# Altium PCB devkit-visao.PcbDoc (part 1 of 2) (continued)
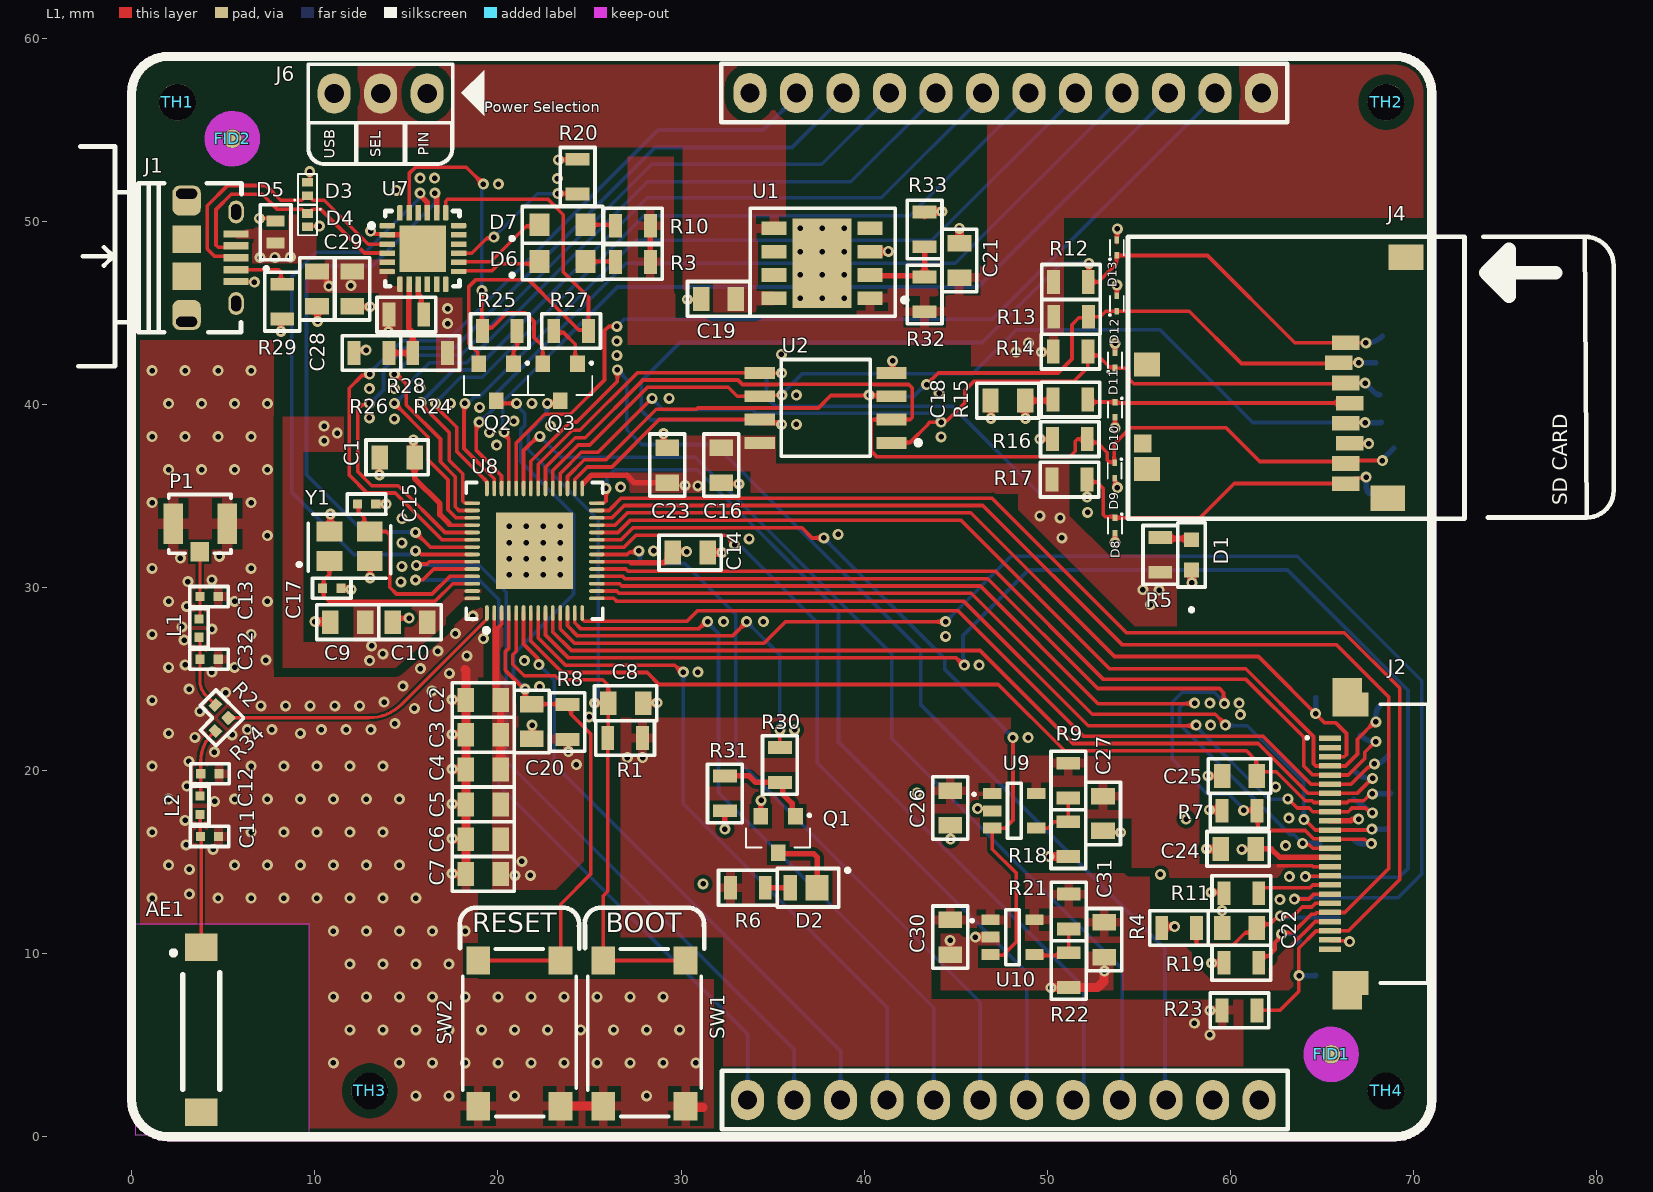
[diagram p0: L1 view]
## Part data (continued)
J1: "CONN - Micro USB Type B RCP 5 POS 0.65mm Solder RA SMD 5 Terminal 1 Port T/R", Manufacturer 1="Amphenol ICC", Supplier Part Number 1=609-4618-1-ND, .PCBChecked="Jose Gomes", .SCHChecked="Victor H", Category="USB Connectors", ComponentLink1Description=http://components.arrow.com/part/dataview/0323_04107371?src-supplier=Arrow+Europe, ComponentLink1URL=http://components.arrow.com/part/dataview/0323_04107371?src-supplier=Arrow+Europe, ComponentLink2Description=http://uk.rs-online.com/webdocs/1450/0900766b814507ee.pdf?src-supplier=RSComponents, ComponentLink2URL=http://uk.rs-online.com/webdocs/1450/0900766b814507ee.pdf?src-supplier=RSComponents, ComponentLink3Description=https://cdn.amphenol-icc.com/media/wysiwyg/files/documentation/datasheet/inputoutput/io_usb_micro.pdf?src-supplier=Avnet, ComponentLink3URL=https://cdn.amphenol-icc.com/media/wysiwyg/files/documentation/datasheet/inputoutput/io_usb_micro.pdf?src-supplier=Avnet, ComponentLink4Description=https://cdn.amphenol-icc.com/media/wysiwyg/files/documentation/datasheet/inputoutput/io_usb_micro.pdf?src-supplier=Arrow+Electronics, ComponentLink4URL=https://cdn.amphenol-icc.com/media/wysiwyg/files/documentation/datasheet/inputoutput/io_usb_micro.pdf?src-supplier=Arrow+Electronics, ComponentLink5Description=https://cdn.amphenol-icc.com/media/wysiwyg/files/documentation/datasheet/inputoutput/io_usb_micro.pdf?src-supplier=Verical, ComponentLink5URL=https://cdn.amphenol-icc.com/media/wysiwyg/files/documentation/datasheet/inputoutput/io_usb_micro.pdf?src-supplier=Verical, ComponentLink6Description=http://portal.fciconnect.com/Comergent//fci/drawing/10118192.pdf?src-supplier=Avnet+Asia, ComponentLink6URL=http://portal.fciconnect.com/Comergent//fci/drawing/10118192.pdf?src-supplier=Avnet+Asia, ComponentLink7Description=https://cdn.amphenol-icc.com/media/wysiwyg/files/documentation/datasheet/inputoutput/io_usb_micro.pdf?src-supplier=Allied+Electronics, ComponentLink7URL=https://cdn.amphenol-icc.com/media/wysiwyg/files/documentation/datasheet/inputoutput/io_usb_micro.pdf?src-supplier=Allied+Electronics, ComponentLink8Description=http://www.farnell.com/datasheets/2366786.pdf?src-supplier=Newark, ComponentLink8URL=http://www.farnell.com/datasheets/2366786.pdf?src-supplier=Newark, ComponentLink9Description=https://cdn.amphenol-icc.com/media/wysiwyg/files/documentation/datasheet/inputoutput/io_usb_micro.pdf?src-supplier=Mouser, ComponentLink9URL=https://cdn.amphenol-icc.com/media/wysiwyg/files/documentation/datasheet/inputoutput/io_usb_micro.pdf?src-supplier=Mouser, ComponentLink10Description=http://www.amphenol-icc.com/media/wysiwyg/files/drawing/10118192.pdf?src-supplier=Digi-Key, ComponentLink10URL=http://www.amphenol-icc.com/media/wysiwyg/files/drawing/10118192.pdf?src-supplier=Digi-Key, ComponentLink11Description=http://www.farnell.com/cad/1935767.pdf?src-supplier=Element14, ComponentLink11URL=http://www.farnell.com/cad/1935767.pdf?src-supplier=Element14, ComponentLink12Description=http://www.farnell.com/datasheets/2366786.pdf?src-supplier=Farnell, ComponentLink12URL=http://www.farnell.com/datasheets/2366786.pdf?src-supplier=Farnell, ComponentLink13Description=https://cdn.amphenol-icc.com/media/wysiwyg/files/documentation/datasheet/inputoutput/io_usb_micro.pdf?src-supplier=TME, ComponentLink13URL=https://cdn.amphenol-icc.com/media/wysiwyg/files/documentation/datasheet/inputoutput/io_usb_micro.pdf?src-supplier=TME, ComponentLink14Description=https://cdn.amphenol-icc.com/media/wysiwyg/files/documentation/datasheet/inputoutput/io_usb_micro.pdf?src-supplier=TTI, ComponentLink14URL=https://cdn.amphenol-icc.com/media/wysiwyg/files/documentation/datasheet/inputoutput/io_usb_micro.pdf?src-supplier=TTI, ComponentLink15Description=https://cdn.amphenol-icc.com/media/wysiwyg/files/documentation/datasheet/inputoutput/io_usb_micro.pdf?src-supplier=NAC+Semi, ComponentLink15URL=https://cdn.amphenol-icc.com/media/wysiwyg/files/documentation/datasheet/inputoutput/io_usb_micro.pdf?src-supplier=NAC+Semi, ComponentLink16Description=https://cdn.amphenol-icc.com/media/wysiwyg/files/documentation/datasheet/inputoutput/io_usb_micro.pdf?src-supplier=SOS+electronic, ComponentLink16URL=https://cdn.amphenol-icc.com/media/wysiwyg/files/documentation/datasheet/inputoutput/io_usb_micro.pdf?src-supplier=SOS+electronic, ComponentLink17Description=https://cdn.amphenol-icc.com/media/wysiwyg/files/documentation/datasheet/inputoutput/io_usb_micro.pdf?src-supplier=Freelance+Electronics, ComponentLink17URL=https://cdn.amphenol-icc.com/media/wysiwyg/files/documentation/datasheet/inputoutput/io_usb_micro.pdf?src-supplier=Freelance+Electronics, ComponentLink18Description=https://cdn.amphenol-icc.com/media/wysiwyg/files/documentation/datasheet/inputoutput/io_usb_micro.pdf?src-supplier=Heilind+Electronics, ComponentLink18URL=https://cdn.amphenol-icc.com/media/wysiwyg/files/documentation/datasheet/inputoutput/io_usb_micro.pdf?src-supplier=Heilind+Electronics, ComponentLink19Description=https://datasheet.ciiva.com/3094/1050170001-io-connectors-3094416.pdf?src-supplier=Avnet, ComponentLink19URL=https://datasheet.ciiva.com/3094/1050170001-io-connectors-3094416.pdf?src-supplier=Avnet, ComponentLink20Description=https://datasheet.ciiva.com/30165/235271050170001-io-nectors-30165183.pdf?src-supplier=Onlinecomponents.com, ComponentLink20URL=https://datasheet.ciiva.com/30165/235271050170001-io-nectors-30165183.pdf?src-supplier=Onlinecomponents.com, ComponentLink21Description=https://datasheet.ciiva.com/5742/1598502-5742508.pdf?src-supplier=Farnell, ComponentLink21URL=https://datasheet.ciiva.com/5742/1598502-5742508.pdf?src-supplier=Farnell, ComponentLink22Description=https://datasheet.ciiva.com/8015/1631959-8015288.pdf?src-supplier=Element14, ComponentLink22URL=https://datasheet.ciiva.com/8015/1631959-8015288.pdf?src-supplier=Element14, ComponentLink23Description=https://datasheet.ciiva.com/22654/1688140-22654924.pdf?src-supplier=Element14, ComponentLink23URL=https://datasheet.ciiva.com/22654/1688140-22654924.pdf?src-supplier=Element14, ComponentLink24Description=https://datasheet.ciiva.com/4598/1050170001-io-connectors-152207-4598759.pdf?src-supplier=Mouser, ComponentLink24URL=https://datasheet.ciiva.com/4598/1050170001-io-connectors-152207-4598759.pdf?src-supplier=Mouser, ComponentLink25Description=https://datasheet.ciiva.com/851/1050170001-sd-851276.pdf?src-supplier=Digi-Key, ComponentLink25URL=https://datasheet.ciiva.com/851/1050170001-sd-851276.pdf?src-supplier=Digi-Key, ComponentLink26Description=https://datasheet.ciiva.com/16668/1050170001-io-connectors-16668598.pdf?src-supplier=Avnet+Europe, ComponentLink26URL=https://datasheet.ciiva.com/16668/1050170001-io-connectors-16668598.pdf?src-supplier=Avnet+Europe, ComponentLink27Description=https://datasheet.ciiva.com/851/1050170001-sd-851277.pdf?src-supplier=Digi-Key, ComponentLink27URL=https://datasheet.ciiva.com/851/1050170001-sd-851277.pdf?src-supplier=Digi-Key, ComponentLink28Description=https://datasheet.ciiva.com/851/1050170001-sd-851278.pdf?src-supplier=Digi-Key, ComponentLink28URL=https://datasheet.ciiva.com/851/1050170001-sd-851278.pdf?src-supplier=Digi-Key, ComponentLink29Description=http://components.arrow.com/part/dataview/0323_04107373?src-supplier=Arrow+Europe, ComponentLink29URL=http://components.arrow.com/part/dataview/0323_04107373?src-supplier=Arrow+Europe, ComponentLink30Description=https://cdn.amphenol-icc.com/media/wysiwyg/files/drawing/10118194.pdf?src-supplier=Avnet, ComponentLink30URL=https://cdn.amphenol-icc.com/media/wysiwyg/files/drawing/10118194.pdf?src-supplier=Avnet, ComponentLink31Description=https://cdn.amphenol-icc.com/media/wysiwyg/files/drawing/10118194.pdf?src-supplier=Mouser, ComponentLink31URL=https://cdn.amphenol-icc.com/media/wysiwyg/files/drawing/10118194.pdf?src-supplier=Mouser, ComponentLink32Description=http://www.amphenol-icc.com/media/wysiwyg/files/drawing/10118194.pdf?src-supplier=Digi-Key, ComponentLink32URL=http://www.amphenol-icc.com/media/wysiwyg/files/drawing/10118194.pdf?src-supplier=Digi-Key, ComponentLink33Description=http://www.farnell.com/cad/2354948.pdf?src-supplier=Farnell, ComponentLink33URL=http://www.farnell.com/cad/2354948.pdf?src-supplier=Farnell, ComponentLink34Description=https://cdn.amphenol-icc.com/media/wysiwyg/files/drawing/10118194.pdf?src-supplier=RSComponents, ComponentLink34URL=https://cdn.amphenol-icc.com/media/wysiwyg/files/drawing/10118194.pdf?src-supplier=RSComponents, ComponentLink35Description=https://cdn.amphenol-icc.com/media/wysiwyg/files/drawing/10118194.pdf?src-supplier=Allied+Electronics, ComponentLink35URL=https://cdn.amphenol-icc.com/media/wysiwyg/files/drawing/10118194.pdf?src-supplier=Allied+Electronics, ComponentLink36Description=https://cdn.amphenol-icc.com/media/wysiwyg/files/drawing/10118194.pdf?src-supplier=Verical, ComponentLink36URL=https://cdn.amphenol-icc.com/media/wysiwyg/files/drawing/10118194.pdf?src-supplier=Verical, ComponentLink37Description=https://cdn.amphenol-icc.com/media/wysiwyg/files/drawing/10118194.pdf?src-supplier=Arrow+Electronics, ComponentLink37URL=https://cdn.amphenol-icc.com/media/wysiwyg/files/drawing/10118194.pdf?src-supplier=Arrow+Electronics, ComponentLink38Description=https://cdn.amphenol-icc.com/media/wysiwyg/files/drawing/10118194.pdf?src-supplier=TTI, ComponentLink38URL=https://cdn.amphenol-icc.com/media/wysiwyg/files/drawing/10118194.pdf?src-supplier=TTI, ComponentLink39Description=https://cdn.amphenol-icc.com/media/wysiwyg/files/drawing/10118194.pdf?src-supplier=NAC+Semi, ComponentLink39URL=https://cdn.amphenol-icc.com/media/wysiwyg/files/drawing/10118194.pdf?src-supplier=NAC+Semi, ComponentLink40Description=https://cdn.amphenol-icc.com/media/wysiwyg/files/drawing/10118194.pdf?src-supplier=SOS+electronic, ComponentLink40URL=https://cdn.amphenol-icc.com/media/wysiwyg/files/drawing/10118194.pdf?src-supplier=SOS+electronic, ComponentLink41Description=https://cdn.amphenol-icc.com/media/wysiwyg/files/drawing/10118194.pdf?src-supplier=Quest, ComponentLink41URL=https://cdn.amphenol-icc.com/media/wysiwyg/files/drawing/10118194.pdf?src-supplier=Quest, ComponentLink42Description=https://cdn.amphenol-icc.com/media/wysiwyg/files/drawing/10118194.pdf?src-supplier=Heilind+Electronics, ComponentLink42URL=https://cdn.amphenol-icc.com/media/wysiwyg/files/drawing/10118194.pdf?src-supplier=Heilind+Electronics, ComponentLink43Description=https://cdn.amphenol-icc.com/media/wysiwyg/files/drawing/10118194.pdf?src-supplier=TME, ComponentLink43URL=https://cdn.amphenol-icc.com/media/wysiwyg/files/drawing/10118194.pdf?src-supplier=TME, ComponentLink44Description=http://www.farnell.com/cad/2354948.pdf?src-supplier=Element14, ComponentLink44URL=http://www.farnell.com/cad/2354948.pdf?src-supplier=Element14, Manufacturer Part Number 1=10118194-0001LF, Pricing 1="1=0,480000, 10=0,420000, 25=0,384400, 50=0,361600, 100=0,346600, 250=0,316400, 500=0,301360 (USD)", RoHS=Yes, RoHS Compliant=Yes, Stock 1=169666, Supplier 1=Digi-Key, Supplier 2=Mouser, Supplier Part Number 2=649-10118194-0001LF
J2: "CONN - FPC/FFC Connector Socket 24 Position 0.5mm Bottom Contact Solder Right Angle Surface Mount T/R", Manufacturer 1="Amphenol ICC / FCI", Supplier Part Number 1=649-F32R-1A7H1-11024, .PCBChecked="Victor H", .SCHChecked="Victor H", Category="FFC / FPC", Manufacturer Part Number 1=F32R-1A7H1-11024, Pricing 1="1=0,82000, 10=0,64500, 50=0,64500, 100=0,56100, 500=0,50500, 1000=0,38300, 2500=0,36400, 10000=0,36400 (USD)", RoHS=No, Stock 1=588, Supplier 1=Mouser
J3 J5: library part PH1-12-UA, "CONN - HEADER VERT 12POS 2.54MM", Manufacturer 1="Adam Equipment", Supplier Part Number 1=2057-PH1-12-UA-ND, .PCBChecked="Victor H", .SCHChecked="Victor H", Category="Headers and Wire Housings", ComponentLink1Description=http://www.adam-tech.com/catalog/2012/page_312-315.pdf?src-supplier=Future+Electronics, ComponentLink1URL=http://www.adam-tech.com/catalog/2012/page_312-315.pdf?src-supplier=Future+Electronics, ComponentLink2Description=https://datasheet.ciiva.com/16480/page-312-315-16480233.pdf?src-supplier=Future+Electronics, ComponentLink2URL=https://datasheet.ciiva.com/16480/page-312-315-16480233.pdf?src-supplier=Future+Electronics, Lead Free="Lead Free", Manufacturer Part Number 1=PH1-12-UA, Pricing 1="1=0,21000, 10=0,17600, 100=0,13510, 500=0,11434, 1000=0,09356, 5000=0,08316, 10000=0,07536 (USD)", RoHS=Yes, Stock 1=4680, Supplier 1=Digi-Key
J4: "CONN - Micro SD Card HDR 8 POS 1.1mm Solder RA SMD 0.5A/Contact Embossed T/R", Current Rating=500mA, Manufacturer 1=Molex, Max Operating Temperature=85°C, Max Voltage Rating (DC)=100V, Min Operating Temperature=-20°C, Package Quantity=1, Supplier Part Number 1=WM3290CT-ND, .PCBChecked="Alex Batista", .SCHChecked="Alex Batista", Category="Memory Connectors", ComponentLink1Description=https://datasheet.ciiva.com/683/473521001-sd-683625.pdf?src-supplier=Digi-Key, ComponentLink1URL=https://datasheet.ciiva.com/683/473521001-sd-683625.pdf?src-supplier=Digi-Key, ComponentLink2Description=https://datasheet.ciiva.com/11755/0900766b80f75287-11755041.pdf?src-supplier=RSComponents, ComponentLink2URL=https://datasheet.ciiva.com/11755/0900766b80f75287-11755041.pdf?src-supplier=RSComponents, ComponentLink3Description=https://datasheet.ciiva.com/16547/0473521001-memory-card-socket-16547169.pdf?src-supplier=Avnet+Europe, ComponentLink3URL=https://datasheet.ciiva.com/16547/0473521001-memory-card-socket-16547169.pdf?src-supplier=Avnet+Europe, ComponentLink4Description=https://datasheet.ciiva.com/30105/0473521001-memory-card-socket-30105258.pdf?src-supplier=Onlinecomponents.com, ComponentLink4URL=https://datasheet.ciiva.com/30105/0473521001-memory-card-socket-30105258.pdf?src-supplier=Onlinecomponents.com, ComponentLink5Description=https://datasheet.ciiva.com/683/473521001-sd-683627.pdf?src-supplier=Digi-Key, ComponentLink5URL=https://datasheet.ciiva.com/683/473521001-sd-683627.pdf?src-supplier=Digi-Key, Connector Type=Connector, Contact Material="Stainless Steel,Copper Alloy,Copper", Contact Plating=Gold, Depth=15.2mm, Gender=Male, Housing Material=Polymer, Length=14mm, Manufacturer Part Number 1=47352-1001, Mount="Surface Mount", Number of Contacts=8, Number of Rows=1, Orientation="Right Angle", Packaging="Tape and Reel", Pitch=1.1mm, Pricing 1="1=3,58000, 10=3,15500, 100=2,50930 (USD)", Pricing 2="1=3,58000, 10=3,16000, 50=3,16000, 100=2,66000, 1000=2,16000, 10000=2,15000 (USD)", Radiation Hardening=No, REACH SVHC=Unknown, RoHS=Yes, Series=47352, Stock 1=14775, Supplier 1=Digi-Key, Supplier 2=Mouser, Supplier Part Number 2=538-47352-1001, Termination=SMD/SMT, Voltage Rating (DC)=100V, Width=1.88mm
J6: library part PH1-03-UA, "CONN - HEADER VERT 3POS 2.54MM", Manufacturer 1="Adam Equipment", Supplier Part Number 1=2057-PH1-03-UA-ND, .PCBChecked="Victor H", .SCHChecked="Victor H", Category=Connectors, ComponentLink1Description=https://datasheet.ciiva.com/16396/catpg240-254-16396026.pdf?src-supplier=Future+Electronics, ComponentLink1URL=https://datasheet.ciiva.com/16396/catpg240-254-16396026.pdf?src-supplier=Future+Electronics, Lead Free="Lead Free", Manufacturer Part Number 1=PH1-03-UA, Number of Positions=3, Pitch=2.54mm, Pricing 1="1=0,10000, 10=0,05000, 100=0,03650, 500=0,03024, 1000=0,02646, 5000=0,02268, 10000=0,02205 (USD)", RoHS=Yes, Stock 1=48736, Supplier 1=Digi-Key
L1 L2: library part L_0402_JUMPER, "IND - 0R 0402 JUMPER", Case/Package=Molded, Manufacturer 1=Vishay, Manufacturer Part Number 1=CRCW04020000Z0EDC, Max Operating Temperature=155°C, Min Operating Temperature=-55°C, Power Rating=62.5mW, Resistance=18R, Supplier Part Number 1=71-CRCW04020000Z0EDC, .PCBChecked="Alex Batista", .SCHChecked="Alex Batista", Composition="Thick Film", Contact Plating=Tin, Lead Free="Lead Free", Length=1mm, Mount="Surface Mount", Pricing 1="1=0.13, 10=0.044, 50=0.044, 100=0.025, 1000=0.018, 10000=0.005 (USD)", Stock 1=1494844, Supplier 1=Mouser, Termination=Wraparound
P1: "Connector - UFL", Dielectric Material=Polymer, Frequency=6GHz, Housing Color=Beige, Insulation Resistance=500MR, Manufacturer 1=Hirose, Max Operating Temperature=90°C, Min Operating Temperature=-40°C, Package Quantity=2500, Supplier Part Number 1=H11891CT-ND, .PCBChecked="Alex Batista", .SCHChecked="Alex Batista", Body Material=Bronze, Body Plating=Silver, ComponentLink1Description=https://datasheet.ciiva.com/11762/0900766b8105243f-11762474.pdf?src-supplier=RSComponents, ComponentLink1URL=https://datasheet.ciiva.com/11762/0900766b8105243f-11762474.pdf?src-supplier=RSComponents, ComponentLink2Description=https://datasheet.ciiva.com/7651/91524-7651914.pdf?src-supplier=Element14, ComponentLink2URL=https://datasheet.ciiva.com/7651/91524-7651914.pdf?src-supplier=Element14, ComponentLink3Description=https://datasheet.ciiva.com/7651/91524-7651915.pdf?src-supplier=Element14, ComponentLink3URL=https://datasheet.ciiva.com/7651/91524-7651915.pdf?src-supplier=Element14, Connector Type="Coaxial,Receptacle,Male Pin", Contact Material=Brass,Bronze, Contact Plating=Gold, Depth=3.1mm, Fastening Type=Snap, Gender=Male, Impedance=50R, Lead Free="Lead Free", Length=3mm, Manufacturer 2=Hirose, Manufacturer Part Number 1=U.FL-R-SMT-1(10), Manufacturer Part Number 2=U.FL-R-SMT-1(10), Max Frequency=6GHz, Mount="Surface Mount,Through Hole,PCB", Orientation=Straight, Packaging="Tape and Reel", Pricing 1="1=1.310000, 10=1.150000, 25=1.082400, 50=1.037400, 100=0.992200, 250=0.902000, 500=0.811800, 1000=0.721600 (USD)", Pricing 2="1=1.190000, 10=0.984000, 50=0.984000, 100=0.903000, 250=0.820000, 500=0.753000, 1000=0.656000, 2500=0.595000, 10000=0.595000 (USD)", Radiation Hardening=No, REACH SVHC="No SVHC", RoHS=Yes, Stock 1=249511, Stock 2=42299, Supplier 1=Digi-Key, Supplier 2=Mouser, Supplier Part Number 2=798-U.FL-R-SMT-110, Termination=Solder, Wire/Cable Type=Coaxial
Q1 Q2 Q3: library part MMSS8050-H-TP, "TRANSISTOR - NPN 25V 1.5A SOT23", Case/Package=SOT-23, Collector Base Voltage (VCBO)=40V, Collector Emitter Breakdown Voltage=25V, Collector Emitter Saturation Voltage=500mV, Emitter Base Voltage (VEBO)=5V, Manufacturer 1=MCC, Max Collector Current=1.5A, Max Operating Temperature=150°C, Max Power Dissipation=625mW, Min Operating Temperature=-55°C, Package Quantity=3000, Supplier Part Number 1=MMSS8050-H-TPMSCT-ND, Transition Frequency=100MHz, .PCBChecked="Victor H", .SCHChecked="Victor H", Category=BJTs, Collector Emitter Voltage (VCEO)=500mV, Collector-emitter Voltage-Max=500mV, ComponentLink1Description=https://datasheet.ciiva.com/18648/dss5320t-18648043.pdf?src-supplier=Digi-Key, ComponentLink1URL=https://datasheet.ciiva.com/18648/dss5320t-18648043.pdf?src-supplier=Digi-Key, ComponentLink2Description=https://datasheet.ciiva.com/11206/dss5320t-11206349.pdf?src-supplier=Avnet, ComponentLink2URL=https://datasheet.ciiva.com/11206/dss5320t-11206349.pdf?src-supplier=Avnet, ComponentLink3Description=https://datasheet.ciiva.com/16291/mmss8050-255048-16291447.pdf?src-supplier=Mouser, ComponentLink3URL=https://datasheet.ciiva.com/16291/mmss8050-255048-16291447.pdf?src-supplier=Mouser, ComponentLink4Description=https://datasheet.ciiva.com/972/mmss8050sot-23-972894.pdf?src-supplier=Digi-Key, ComponentLink4URL=https://datasheet.ciiva.com/972/mmss8050sot-23-972894.pdf?src-supplier=Digi-Key, ComponentLink5Description=https://datasheet.ciiva.com/972/mmss8050sot-23-972895.pdf?src-supplier=Digi-Key, ComponentLink5URL=https://datasheet.ciiva.com/972/mmss8050sot-23-972895.pdf?src-supplier=Digi-Key, ComponentLink6Description=https://datasheet.ciiva.com/972/mmss8050sot-23-972893.pdf?src-supplier=Digi-Key, ComponentLink6URL=https://datasheet.ciiva.com/972/mmss8050sot-23-972893.pdf?src-supplier=Digi-Key, Element Configuration=Single, Gain Bandwidth Product=100MHz, hFE Min=120, Lead Free="Lead Free", Manufacturer Part Number 1=MMSS8050-H-TP, Max Breakdown Voltage=25V, Mount="Surface Mount", mouting=SMD, Number of Pins=3, Packaging="Tape and Reel", Polarity=NPN, Pricing 1="1=0,21000, 10=0,17100, 100=0,09060, 500=0,05962, 1000=0,04054 (USD)", RoHS=Yes, RoHS Compliant=Yes, Series=-, Stock 1=87310, Supplier 1=Digi-Key
R1 R7 R8 R12 R13 R14 R15 R16 R17 R20 R25 R27 R31 R33: library part RNCP0805FTD10K0, "RES - 10K 1/4W 0805 ±1%", Case Code (Imperial)=0805, Case Code (Metric)=2012, Manufacturer 1="Stackpole Electronics", Max Operating Temperature=155°C, Max Power Dissipation=250mW, Min Operating Temperature=-55°C, Resistance=10kR, Resistor Type="Thin Film", Supplier Part Number 1=RNCP0805FTD10K0CT-ND, Temperature Coefficient=100ppm/°C, Tolerance=1%, .PCBChecked="Victor Holanda", .SCHChecked="Victor Holanda", Case/Package=0805, Category="Chip SMD Resistors", ComponentLink7Description=https://www.seielect.com/catalog/SEI-Packaging.pdf?src-supplier=Digi-Key, ComponentLink7URL=https://www.seielect.com/catalog/SEI-Packaging.pdf?src-supplier=Digi-Key, Features="Moisture Resistant,Anti-Sulfur", Height=0.024inch, Lead Free="Lead Free", Length=0.079inch, Manufacturer Part Number 1=RNCP0805FTD10K0, Mount="Surface Mount", Number of Terminations=2, Packaging="Tape and Reel", Pricing 1="1=0,10000, 10=0,07300, 100=0,02970, 1000=0,01336, 2500=0,01159 (USD)", RoHS=Yes, RoHS Compliant=Yes, Series=RNCP, Stock 1=744134, Supplier 1=Digi-Key, Width=0.049inch
R2 R34: library part RMCF0402ZT0R00, "RES - 0R 1/16W 0402", Case Code (Imperial)=0402, Case Code (Metric)=1005, Current Rating=1A, Manufacturer="Stackpole Electronics", Max Operating Temperature=155°C, Max Power Dissipation=63mW, Min Operating Temperature=-55°C, Resistor Type="Thick Film", Supplier Part Number 1=RMCF0402ZT0R00CT-ND, Working Voltage=50V, .PCBChecked="Victor Holanda", .SCHChecked="Victor Holanda", Case/Package=0402, Category="Chip SMD Resistors", ComponentLink1Description=https://datasheet.ciiva.com/26835/getdatasheetpartid-409751-26835612.pdf?src-supplier=Verical, ComponentLink1URL=https://datasheet.ciiva.com/26835/getdatasheetpartid-409751-26835612.pdf?src-supplier=Verical, Construction=Rectangular, Contact Plating=Tin,Matte, Depth=0.5mm, Features="Automotive AEC-Q200", Height=0.016inch, Lead Free="Lead Free", Length=0.039inch, Manufacturer Part Number=RMCF0402ZT0R00, Military Standard=Not, Mount="Surface Mount", Number of Terminations=2, Packaging="Tape and Reel", Power Rating=63mW, Pricing 1="1=0,10000, 10=0,01000, 25=0,00720, 50=0,00560, 100=0,00410, 250=0,00316, 500=0,00252, 1000=0,00186, 5000=0,00133 (USD)", Radiation Hardening=No, Resistance=0R, RoHS=Yes, RoHS Compliant=Yes, Series=RMCF, Stock 1=13640274, Supplier 1=Digi-Key, Technology="THICK FILM", Width=0.02inch
R3 R5 R10 R11 R28 R30: library part RNCP0805FTD1K00, "RES - 1K 1/4W 0805 ±1%", Case Code (Imperial)=0805, Case Code (Metric)=2012, Manufacturer 1="Stackpole Electronics", Max Operating Temperature=155°C, Max Power Dissipation=250mW, Min Operating Temperature=-55°C, Resistance=1kR, Resistor Type="Thin Film", Supplier Part Number 1=RNCP0805FTD1K00CT-ND, Temperature Coefficient=100ppm/°C, Tolerance=1%, .PCBChecked="Victor Holanda", .SCHChecked="Victor Holanda", Case/Package=0805, Category="Chip SMD Resistors", ComponentLink7Description=http://www.seielect.com/Catalog/SEI-rncp.pdf?src-supplier=Future+Electronics, ComponentLink7URL=http://www.seielect.com/Catalog/SEI-rncp.pdf?src-supplier=Future+Electronics, ComponentLink8Description=https://www.seielect.com/Catalog/SEI-rncp.pdf?src-supplier=Digi-Key, ComponentLink8URL=https://www.seielect.com/Catalog/SEI-rncp.pdf?src-supplier=Digi-Key, ComponentLink9Description=https://www.seielect.com/catalog/SEI-Packaging.pdf?src-supplier=Digi-Key, ComponentLink9URL=https://www.seielect.com/catalog/SEI-Packaging.pdf?src-supplier=Digi-Key, Features="Moisture Resistant,Anti-Sulfur", Height=0.024inch, Lead Free="Lead Free", Length=0.079inch, Manufacturer Part Number 1=RNCP0805FTD1K00, Mount="Surface Mount", Number of Terminations=2, Packaging="Tape and Reel", Power Rating=250mW, Pricing 1="1=0,10000, 10=0,07300, 100=0,02970, 1000=0,01336, 2500=0,01159 (USD)", RoHS=Yes, RoHS Compliant=Yes, Series=RNCP, Size Code=0805, Stock 1=333101, Supplier 1=Digi-Key, Width=0.049inch